# KiCad board element_foxtrot.kicad_pcb (continued)
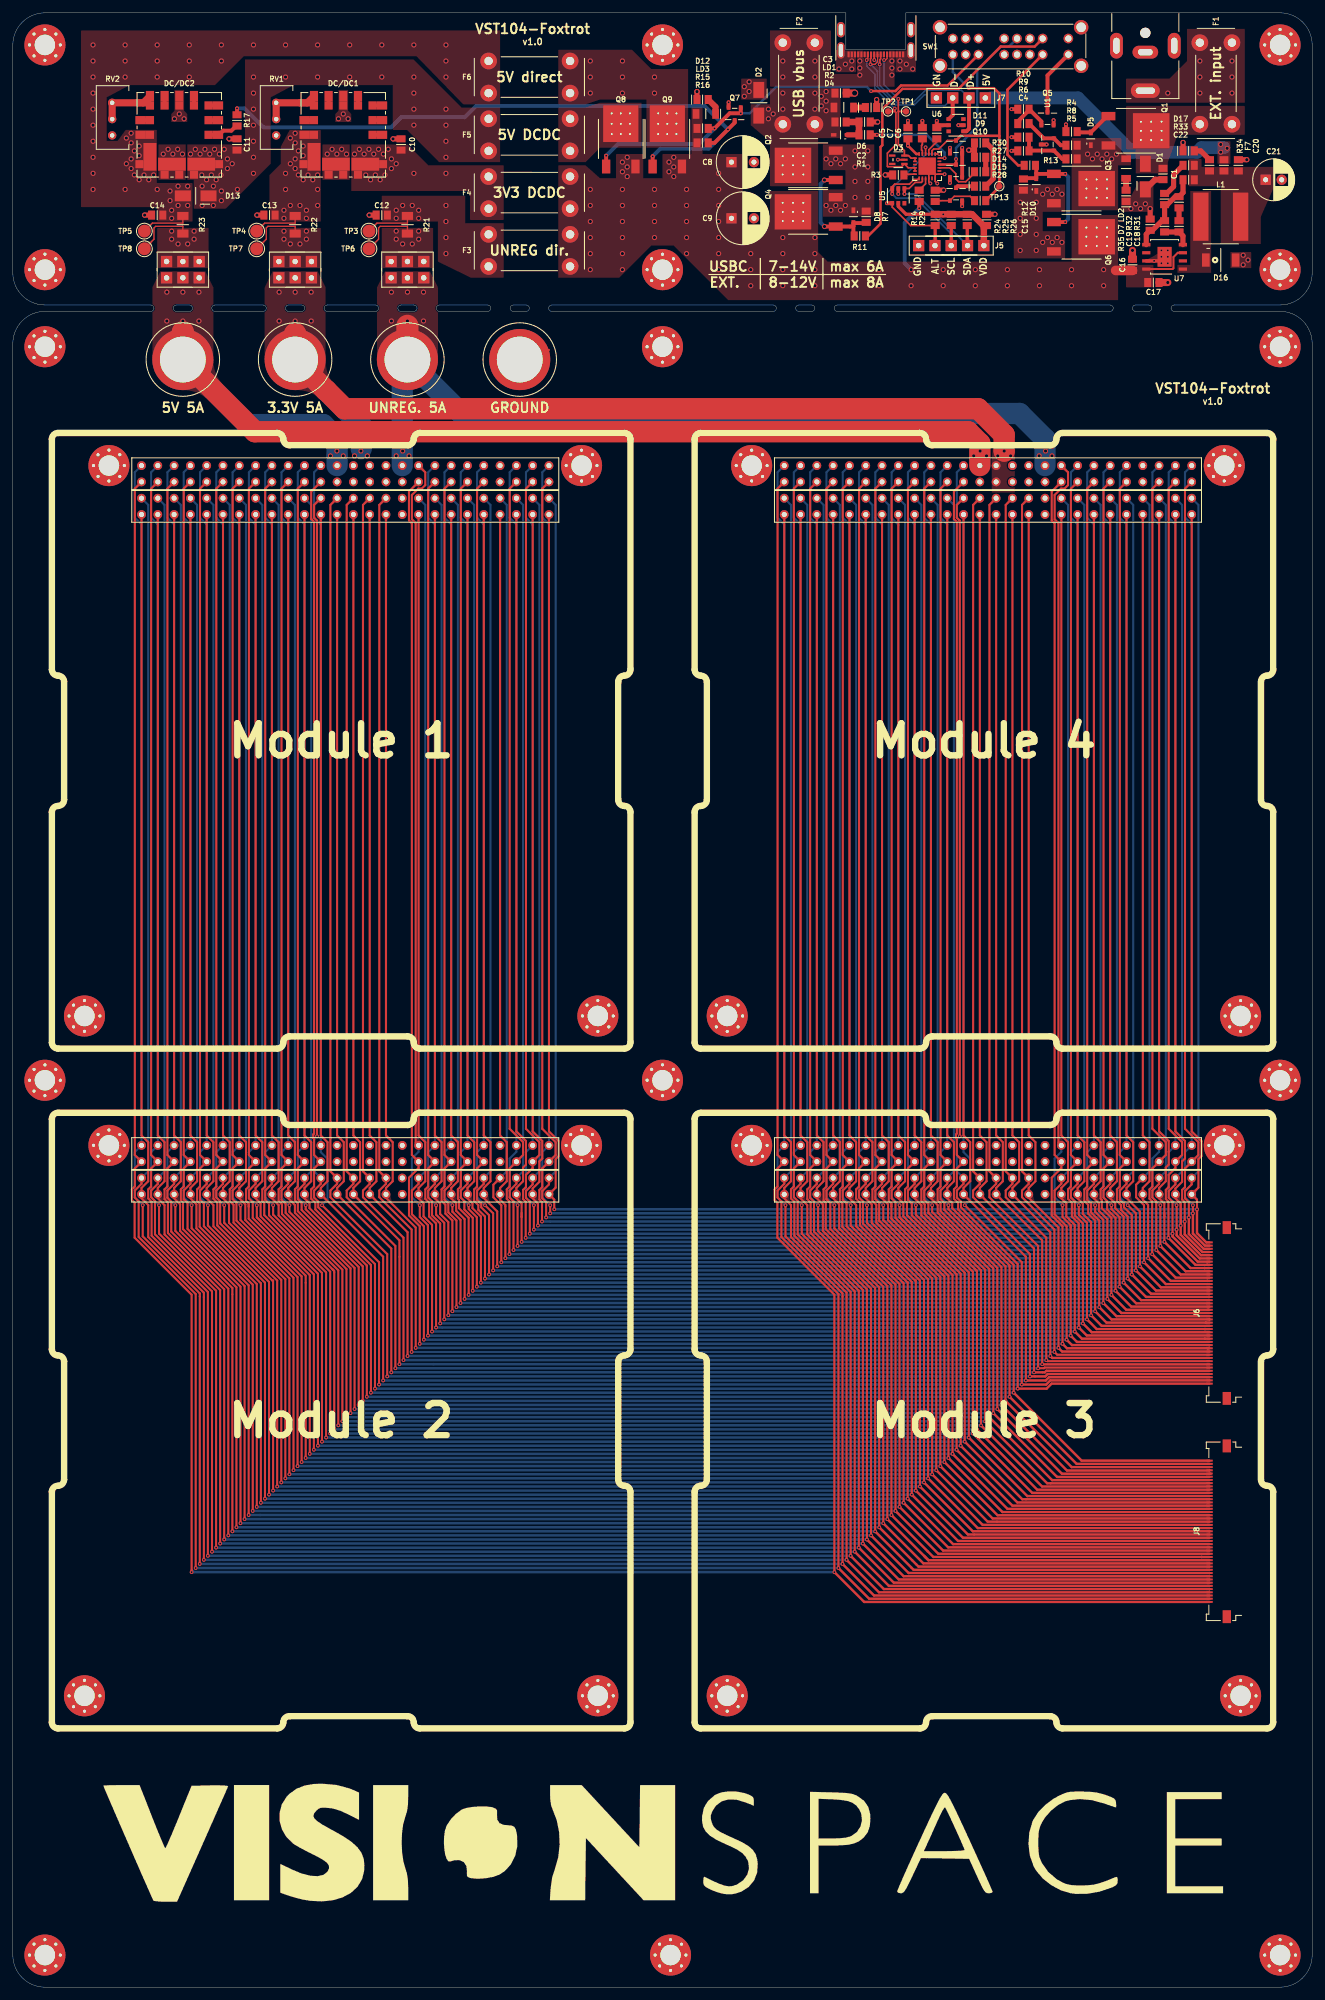
[diagram p0: board, top side]
## Routing (per net, layer and track width the routed paths; a pad name or vN(x,y) marks a point on that pad's centre or on a via; arc(x,y) is an arc through that point) (continued)
/H2-51: length 342.6
  Top w0.323: 83.56,234.44 82.51,233.4 82.51,133.69 84.6,131.61 84.6,129.61 Module 2.H2_51 82.51,127.52 82.51,124.62 82.06,124.17 82.06,122.67 82.47,122.26 v1(82.47,119.25) ; v1(182.64,119.25) 182.64,122.26 182.23,122.67 182.23,124.17 182.68,124.62 182.68,127.52 Module 3.H2_51 184.77,129.61 184.77,131.61 182.68,133.69 182.68,233.4 183.72,234.44
  Top w0.37: J6.42 185.38,114.5 182.64,117.24 v1(182.64,119.25)
  Bottom w0.396: v1(82.47,119.25) v1(182.64,119.25)
/H2-52: length 343.2
  Top w0.323: v1(83.75,120.53) v1(83.75,121.79) ; v1(183.91,120.53) v1(183.91,121.79)
  Top w0.37: v1(183.91,120.53) 183.91,117.37 185.79,115.5 J6.44
  Bottom w0.323: 83.56,236.99 82.51,235.94 82.51,228.91 83.56,227.87 83.56,131.1 82.51,130.06 82.51,123.03 v1(83.75,121.79) ; v1(183.91,121.79) 182.68,123.03 182.68,130.06 183.72,131.1 183.72,227.87 182.68,228.91 182.68,235.94 183.72,236.99
  Bottom w0.396: v1(183.91,120.53) v1(83.75,120.53)
/PDO2: length 41
  Top w0.25: U2.20 143.25,286.03 143.51,286.3 144.31,286.3 145.64,287.62 D11.3 146.85,287.62
  Top w0.38: 153.75,294.25 153.75,294.93 152.91,295.77 v1(149,295.77)
  Top w0.4: 153.75,281.22 153.75,280.51 TP13.1 ; 153.75,281.22 153.75,280.75 ; 153.75,281.22 153.75,294.25 ; 153.72,288.35 147.73,288.35 D11.3 ; 153.5,280.12 R28.2
  Bottom w0.38: SW1.16 146.5,298.27 v1(149,295.77)
/RST: length 1.8
  Top w0.25: U2.6 139,282.37 R3.2
/SCL: length 22.6
  Top w0.25: U5.3 137.05,280.44 137.44,280.83 139.73,280.83 140.45,281.55 141.05,281.55 141.22,281.72 U2.7
  Top w0.5: U5.3 v1(137.05,279.29) ; R25.2 J5.3
  Bottom w0.3: J5.3 146.25,273.08 140.69,278.64 137.7,278.64 v1(137.05,279.29)
/SDA: length 20.9
  Top w0.25: U5.1 139.69,280.15 140.63,281.09 141.59,281.09 141.75,281.25 U2.8
  Top w0.5: U5.1 138.95,279.3 v1(138.96,279.29) ; J5.2 148.75,271.29 R26.2
  Bottom w0.3: v1(138.96,279.29) 140.75,279.29 J5.2
/SUP_3V3: length 140.3
  Top w3.314: TP11.1 48.83,248.67 48.87,248.67 51.7,245.84 150.44,245.84 154.5,241.78 v2(154.5,239.25)
  Top w3.46: 44,257.5 TP11.1 44,253.75
  Bottom w3.314: 54.3,239.62 54.3,243.19 TP11.1
  vias: v2(41.5,264) v2(41.5,259.5) v2(44,264) v2(44,259.5) v2(46.5,264) v2(46.5,259.5) v2(53.25,240) v2(53.25,238.5) v2(54.25,239.25) v2(55.25,240) v2(55.25,238.5) v2(153.5,240) v2(153.5,238.5) v2(155.5,240) v2(155.5,238.5)
/SUP_5V: length 170.9
  Top w3.314: 150.71,236.99 150.71,240.43 148.87,242.26 37.74,242.26 TP10.1
  Top w3.46: 26.49,257.75 TP10.1 26.49,253.75
  Bottom w3.314: 50.53,236.99 50.53,241.22 48.38,243.37 36.62,243.37 TP10.1
  vias: v2(24,264) v2(24,259.5) v2(26.5,264) v2(26.5,259.5) v2(29,264) v2(29,259.5) v2(49.5,240) v2(49.5,238.5) v2(50.5,239.25) v2(51.5,240) v2(51.5,238.5) v2(149.75,240) v2(149.75,238.5) v2(150.75,239.25) v2(151.75,240) v2(151.75,238.5)
/SUP_BAT_1: length 322.2
  In1.Cu w0.774: Module 2.H2_45 77.2,129.83 77.2,233.18 75.94,234.44 77.2,235.71 77.2,237.59 81.21,241.6 170.83,241.6 174.84,237.59 174.84,235.71 176.1,234.44 174.84,233.18 174.84,129.83 Module 3.H2_45
/SUP_BAT_2: length 319.3
  In1.Cu w0.774: 75.94,131.1 74.66,132.38 74.66,235.71 75.94,236.99 75.94,237.6 80.84,242.5 171.2,242.5 176.1,237.6 176.1,236.99 177.37,235.72 177.37,132.37 176.1,131.1
/SUP_UNREG: length 131
  Top w3.46: 61.5,258.75 TP9.1 61.5,253.75
  Bottom w3.314: 160.87,236.99 160.87,241.13 156.9,245.1 69.89,245.1 TP9.1 60.69,252.7 60.69,236.99
  vias: v2(59,264) v2(59,259.5) v2(59.75,240) v2(59.75,238.5) v2(60.75,239.25) v2(61.5,264) v2(61.5,259.5) v2(61.75,240) v2(61.75,238.5) v2(64,264) v2(64,259.5) v2(159.95,240) v2(159.95,238.5) v2(160.95,239.25) v2(161.95,240) v2(161.95,238.5)
/USB_N: length 27.1
  Top w0.2: v1(133.66,299.47) 134.35,299.47 134.78,299.9 134.78,301 P1.B7
  Top w0.25: v1(133.66,299.47) 133.66,300.36 133.75,300.45 P1.A7
  Top w0.6: J7.3 146.48,291.58 U6.1
  Bottom w0.25: v1(133.66,299.47) 134.72,298.41 134.72,296.02 137.59,293.15 140.48,293.15 142.07,294.75 142.5,294.75 142.5,293.35 142.8,293.05 145.28,293.05 J7.3
/USB_P: length 29.1
  Top w0.25: P1.A6 135.25,300.33 135.13,300.21 135.13,299.5 v1(135.1,299.47) ; P1.B6 v1(134.25,300.15)
  Top w0.6: U6.4 148.62,289.05 149.02,289.45 J7.2
  Bottom w0.25: v1(134.25,300.15) 134.42,300.15 v1(135.1,299.47) 135.1,296.17 137.74,293.53 140.32,293.53 142.24,295.45 147.82,295.45 J7.2
/VOUT_3V3: length 7.6
  Top w0.2: R22.2 44,274.75 39.25,274.75 TP4.1
  vias: v2(42.25,276.75) v2(42.25,275.5) v2(42.5,282.5) v2(42.5,280) v2(43.25,288) v2(43.25,284) v2(43.25,277.5) v2(44,288.75) v2(44,287.25) v2(44,284.75) v2(44,283.25) v2(44.5,286) v2(44.5,282.25) v2(44.75,277.5) v2(45.25,286.75) v2(45.25,285.25) v2(45.25,281.5) v2(45.75,276.75) v2(45.75,275.5) v2(46,282.25) v2(46.75,281.5) v2(47.5,282.25) v2(47.5,280) v2(47.5,277.5)
/VOUT_5V: length 7.6
  Top w0.2: R23.2 26.5,274.75 21.75,274.75 TP5.1
  vias: v2(12.5,302.5) v2(12.5,300) v2(12.5,297.5) v2(12.5,295) v2(12.5,292.5) v2(12.5,290) v2(12.5,287.5) v2(12.5,285) v2(12.5,282.5) v2(12.5,280) v2(17.5,302.5) v2(17.5,300) v2(17.5,297.5) v2(17.5,280) v2(17.69,288) v2(17.69,284) v2(18.44,288.75) v2(18.44,287.25) v2(18.44,284.75) v2(18.44,283.25) v2(18.94,286) v2(18.94,282.25) v2(19.69,286.75) v2(19.69,285.25) v2(19.69,281.5) v2(20.44,282.25) v2(21.19,281.5) v2(21.94,282.25) v2(22.5,302.5) v2(22.5,300) v2(22.5,297.5) v2(22.5,280) v2(24.5,279.75) v2(24.5,278.25) v2(24.75,276.75) v2(24.75,275.5) v2(25.75,280.5) v2(25.75,277.5) v2(27.25,280.5) v2(27.25,277.5) v2(27.5,302.5) v2(27.5,300) v2(27.5,297.5) v2(32.5,302.5) v2(32.5,300) v2(37.5,302.5) v2(42.5,302.5) v2(47.5,302.5) v2(52.5,302.5) v2(57.5,302.5) v2(62.5,302.5) v2(67.5,302.5) v2(67.5,300) v2(67.5,297.5)
/VOUT_UNREG: length 7.6
  Top w0.2: TP3.1 56.75,274.75 61.5,274.75 R21.2
  vias: v2(59.75,276.75) v2(59.75,275.5) v2(60.75,277.5) v2(62.25,277.5) v2(63.25,276.75) v2(63.25,275.5) v2(67.5,277.5) v2(67.5,275) v2(67.5,272.5) v2(67.5,270)
/VSINK: length 22.4
  Top w0.3: U7.8 180.74,267.6 180.88,267.73 180.88,269.46 181.56,270.13 U7.3
  Top w0.6: R14.2 141.26,278.12 v1(141.26,277.07)
  Top w1.5: C16.1 171.88,267.38
  Bottom w0.6: v1(141.26,277.07) 139,274.81 139,268.5 v2(140,267.5)
  vias: v2(90,280) v2(90,277.5) v2(90,275) v2(90,272.5) v2(90,270) v2(90,267.5) v2(95,284.25) v2(95,282.75) v2(95,280) v2(95,277.5) v2(95,275) v2(95,272.5) v2(95,270) v2(95,267.5) v2(95.75,285) v2(95.75,283.5) v2(95.75,282) v2(100,280) v2(100,277.5) v2(100,275) v2(100,272.5) v2(102.25,284.25) v2(102.25,282.75) v2(103,285) v2(103,283.5) v2(103,282) v2(105,280) v2(105,277.5) v2(105,275) v2(105,272.5) v2(105,270) v2(110,282.5) v2(110,280) v2(110,277.5) v2(110,275) v2(110,272.5) v2(110,270) v2(110,267.5) v2(115,272.5) v2(115,270) v2(115,267.5) v2(115,265) v2(120,272.5) v2(120,270) v2(120,267.5) v2(120,265) v2(125,272.5) v2(125,270) v2(125,267.5) v2(125,265) v2(130,267.5) v2(130,265) v2(135,267.5) v2(135,265) v2(140,265) v2(145,267.5) v2(145,265) v2(150,267.5) v2(150,265) v2(155,267.5) v2(155,265) v2(160,267.5) v2(160,265) v2(165,267.5) v2(165,265) v2(170,267.5) v2(170,265)
Net-(C2-Pad2): length 5.8
  Top w0.8: D4.1 R1.1
  Top w1: R2.2 C2.2 R1.1
Net-(C4-Pad1): length 8.6
  Top w0.6: R5.2 163.55,284.75 U1.1 158.43,286.05 C4.1 R6.1
  Top w0.8: 163.99,284.75 164.12,284.88
Net-(C5-Pad2): length 23.6
  Top w0.25: 141.12,285.52 U2.24
  Top w0.4: 141.12,285.52 140.8,285.52 v1(139.5,286.82)
  Top w0.6: C5.2 v1(139.5,286.82) ; D9.2 D11.2 v1(147.95,286.48)
  In1.Cu w0.6: v2(133.25,286) 138.68,286 v1(139.5,286.82) 140.03,287.35 147.08,287.35 v1(147.95,286.48)
  vias: v2(126.75,284.75) v2(126.75,277.5) v2(127.5,284) v2(127.5,276.75) v2(128.25,284.75) v2(128.25,277.5) v2(129,284) v2(129,276.75) v2(129.75,284.75) v2(129.75,277.5) v2(131.25,286) v2(131.25,283.5) v2(131.25,281.25) v2(131.25,278.75) v2(133.25,283.5) v2(133.25,281.25) v2(133.25,278.75)
Net-(C6-Pad2): length 2.9
  Top w0.25: C6.2 144,287.42 142.75,286.17 U2.21
Net-(C7-Pad2): length 2.5
  Top w0.25: U2.23 141.75,286.02 141.62,286.15 141.62,286.85 141.75,286.98 C7.2
Net-(C10-Pad1):
  vias: v2(53.25,285.5) v2(54,286.25) v2(54.75,285.5) v2(55,282.25) v2(55.5,286.25) v2(55.75,281.5) v2(56.25,285.5) v2(56.5,282.25) v2(57,286.25) v2(57.25,281.5) v2(57.75,285.5) v2(58,282.25) v2(58.5,286.25) v2(59,284.75) v2(59,283.25) v2(59.75,284) v2(62.5,282.5) v2(67.5,282.5)
Net-(C11-Pad1):
  vias: v2(27.69,285.5) v2(28.44,286.25) v2(29.19,285.5) v2(29.44,282.25) v2(29.5,280.5) v2(29.5,277.5) v2(29.94,286.25) v2(30.19,281.5) v2(30.69,285.5) v2(30.94,282.25) v2(31.25,280.5) v2(31.25,277.5) v2(31.44,286.25) v2(31.69,281.5) v2(32.19,285.5) v2(32.44,282.25) v2(32.5,279.75) v2(32.5,278.25) v2(32.94,286.25) v2(33.44,284.75) v2(33.44,283.25) v2(34.19,284) v2(35,280) v2(37.5,297.5) v2(37.5,295) v2(37.5,292.5) v2(37.5,290) v2(37.5,287.5) v2(37.5,285) v2(37.5,282.5) v2(42.5,297.5) v2(47.5,297.5) v2(52.5,297.5) v2(57.5,297.5) v2(62.5,297.5) v2(62.5,295) v2(62.5,292.5) v2(62.5,290) v2(67.5,292.5) v2(67.5,290) v2(67.5,287.5) v2(67.5,285)
Net-(C18-Pad1): length 4.5
  Top w0.8: U7.4 182.36,272.77 C18.1 C19.1
Net-(C18-Pad2): length 2
  Top w0.8: C18.2 R31.2
Net-(C19-Pad2): length 13.5
  Top w0.8: U7.5 176.64,273.02 R35.2 177.6,273.62 179.1,275.12 C19.2 R32.1 179.92,277.62 181.17,278.88 R31.1 182.38,279.5 R33.1
Net-(C22-Pad2): length 5.8
  Top w0.8: R32.2 179.83,279.38 180.9,280.44 180.9,282.27 C22.2
Net-(D5-Pad1):
  vias: v2(167.5,285.5) v2(168.25,284.75) v2(169,285.5) v2(169.75,284.75) v2(170.5,285.5) v2(171.25,284.75) v2(172,285.5)
Net-(D5-Pad2): length 6
  Top w0.6: Q1.1 170.54,291.42 D5.2 166,288.88 R4.1
Net-(D6-Pad2): length 1.8
  Top w0.92: LD1.1 D6.2
Net-(D7-Pad2): length 1.9
  Top w0.92: LD2.1 D7.2
Net-(D8-Pad2): length 18.2
  Top w0.6: 131,274.25 131,272.88 R11.1 ; 131,274.25 130.96,274.21 126.51,274.21 v2(126.5,274.22) ; 131,274.25 D8.2 132.88,274.75 R7.2 ; v2(126.49,281.46) 126.49,281.46 Q2.1
  Top w0.8: 131.09,272.71 R11.1
  Bottom w0.6: v2(126.49,281.46) 125.89,280.86 125.89,274.83 v2(126.5,274.22)
Net-(D9-Pad3): length 26.9
  Top w0.38: v1(147,284.73) D9.3 U2.16
  Bottom w0.38: SW1.4 155.25,302.25 153.96,302.25 150.29,298.58 150.29,289.75 147,286.46 v1(147,284.73)
Net-(D10-Pad1):
  vias: v2(157,278) v2(157,275.5) v2(157,273) v2(157,270.5) v2(159.5,278) v2(159.5,275.5) v2(159.5,273) v2(159.5,270.5) v2(160.5,279.25) v2(160.5,271.75) v2(161.25,280) v2(161.25,272.5) v2(162,279.25) v2(162,271.75) v2(162.75,280) v2(162.75,272.5) v2(163.5,279.25) v2(163.5,271.75)
Net-(D10-Pad2): length 18.3
  Top w0.6: 159.5,282.5 159.5,283.62 R13.1 ; 159.5,282.5 D10.2 157.62,281.75 R12.2 ; 159.5,282.5 159.58,282.42 Q3.1 v1(164,282.42) 164,282.42 ; 162.25,274.92 v1(164,274.92) 164,274.92
  Bottom w0.6: v1(164,274.92) 164.48,275.4 164.48,281.93 v1(164,282.42)
Net-(D12-Pad2): length 2.7
  Top w0.92: LD3.1 109.53,292.85 D12.2
Net-(D14-Pad2): length 2.2
  Top w0.8: D14.2 R27.2
Net-(D15-Pad1): length 3
  Top w0.6: Q10.3 147.25,280.5 D15.1
Net-(D15-Pad2): length 7.7
  Top w0.8: D15.2 152.78,281.65 152.78,286.18 151.71,287.25 R30.2
Net-(D17-Pad2): length 2.9
  Top w0.8: R34.2 185.12,286 D17.2
Net-(DC/DC1-Pad1): length 1.5
  Top w0.6: DC/DC1.1 DC/DC1.1
Net-(DC/DC1-Pad6): length 11.2
  Top w1.1: 44.72,293.49 45.9,293.49 DC/DC1.6 ; 44.72,293.49 46.51,293.49 DC/DC1.6 ; 44.72,293.49 RV1.3 RV1.2
Net-(DC/DC1-Pad8): length 1.5
  Top w0.6: DC/DC1.8 DC/DC1.8
Net-(DC/DC1-Pad9): length 1.5
  Top w0.6: DC/DC1.9 DC/DC1.9
Net-(DC/DC1-Pad10): length 1.5
  Top w0.6: DC/DC1.10 DC/DC1.10
Net-(DC/DC1-Pad11): length 1.5
  Top w0.6: DC/DC1.11 DC/DC1.11
Net-(DC/DC1-Pad12): length 1.5
  Top w0.6: DC/DC1.12 DC/DC1.12
Net-(DC/DC2-Pad1): length 5
  Top w0.6: DC/DC2.1 DC/DC2.1 32.14,288.5 32.79,289.15 34.06,289.15 34.78,289.88 R17.1
Net-(DC/DC2-Pad6): length 11
  Top w1.1: RV2.2 RV2.3 19.39,293.49 ; 19.39,293.49 20.34,293.49 DC/DC2.6 ; 19.39,293.49 20.95,293.49 DC/DC2.6
Net-(DC/DC2-Pad8): length 1.5
  Top w0.6: DC/DC2.8 DC/DC2.8
Net-(DC/DC2-Pad9): length 1.5
  Top w0.6: DC/DC2.9 DC/DC2.9
Net-(DC/DC2-Pad10): length 1.5
  Top w0.6: DC/DC2.10 DC/DC2.10
Net-(DC/DC2-Pad11): length 1.4
  Top w0.6: DC/DC2.11 DC/DC2.11
Net-(DC/DC2-Pad12): length 1.5
  Top w0.6: DC/DC2.12 DC/DC2.12
Net-(F1-Pad2):
  vias: v2(180,295) v2(185,300) v2(185,297.5) v2(185,295) v2(190,300) v2(190,297.5) v2(190,295)
Net-(F2-Pad2):
  vias: v2(120,300) v2(120,297.5) v2(125,300) v2(125,297.5) v2(132,300) v2(132,298.9) v2(132,297.8) v2(137,300) v2(137,298.9) v2(137,297.8)
Net-(F6-Pad2):
  vias: v2(90,300) v2(90,297.5) v2(90,295) v2(95,300) v2(95,297.5) v2(95,295) v2(100,297.5) v2(100,295)
Net-(J2-Pad1): length 9.6
  Top w0.2: TP6.1 57,272.25 57,274 57.25,274.25 61.5,274.25 R21.1
  vias: v2(59.75,273.5) v2(59.75,272.25) v2(60.75,271.5) v2(62.25,271.5) v2(63.25,273.5) v2(63.25,272.25)
Net-(J3-Pad1): length 9.6
  Top w0.2: TP7.1 39.5,272.25 39.5,274 39.75,274.25 44,274.25 R22.1
  vias: v2(42.25,273.5) v2(42.25,272.25) v2(43.25,271.5) v2(44.75,271.5) v2(45.75,273.5) v2(45.75,272.25)
Net-(J4-Pad1): length 9.6
  Top w0.2: TP8.1 22,272.25 22,274 22.25,274.25 26.5,274.25 R23.1
  vias: v2(24.75,273.5) v2(24.75,272.25) v2(25.75,271.5) v2(27.25,271.5) v2(28.25,273.5) v2(28.25,272.25)
Net-(Q5-Pad1): length 6.3
  Top w0.6: Q5.1 160.3,290.57 R10.1 158.38,292.35 156.62,290.6 R9.2
Net-(Q5-Pad3): length 10.3
  Top w0.6: Q5.3 161.25,297.75 SW1.9
Net-(Q7-Pad1): length 68.7
  Top w0.38: SW1.14 145.69,296.19 138.42,296.19 137.56,295.32 v1(133.75,295.32) ; 92.47,283.57 Q8.1 ; 146.91,297.41 146.9,297.41
  Top w0.6: R15.2 v1(109.36,289.5) 111.72,291.86 v1(113.46,291.86) 113.45,291.87 Q7.1 ; Q8.1 92.46,285.23 v1(92.47,285.24)
  Bottom w0.38: v1(113.46,291.86) 114.85,291.86 118.97,295.98 133.09,295.98 v1(133.75,295.32)
  Bottom w0.6: v1(92.47,285.24) 94.29,287.06 106.92,287.06 v1(109.36,289.5)
Net-(Q7-Pad3): length 102.5
  Top w0.6: R16.2 109.36,287.25 v1(111.46,289.35) 112.5,290.39 Q7.3 ; R17.2 v1(34.94,292.62) ; v1(99.72,285.15) 99.71,285.14 99.71,283.56
  Top w0.8: 99.71,283.57 99.71,283.56
  Bottom w0.6: v1(34.94,292.62) 36.1,292.62 39.05,289.67 58.95,289.67 60.53,291.25 70.45,291.25 72.21,293 107.8,293 v1(111.46,289.35) 108.44,286.33 100.9,286.33 v1(99.72,285.15)
Net-(Q10-Pad1): length 6.7
  Top w0.25: R29.1 143.88,278.25 Q10.1 146.73,278.93 149.2,278.93 R28.1
Net-(R1-Pad2): length 14.4
  Top w0.25: U2.18 v1(145.21,284.87)
  Top w0.6: R1.2 v1(134.68,288.5)
  Bottom w0.4: v1(134.68,288.5) 142.44,288.5 145.21,285.73 v1(145.21,284.87)
Net-(R8-Pad2): length 7.1
  Top w0.6: R9.1 160.68,287.95 U1.2 163.32,286.88 R8.2
Net-(R11-Pad2): length 50.7
  Top w0.38: R11.2 133.31,272.75 135.23,274.67 135.23,286.61 135.51,286.89 135.51,292.52 138.64,295.66 147.37,295.66 153.96,302.25 159.25,302.25 SW1.2
Net-(R13-Pad2): length 21.2
  Top w0.4: SW1.10 155.01,295.51 155.01,285.41 156.68,283.75 R13.2
Net-(R14-Pad1): length 2.3
  Top w0.25: U2.9 142.25,280.88 R14.1

## Copper pours and planes (outline as drawn; the poured copper is in the pictures)
+5V on Top: 189.75,284 187.75,284 187.75,287.5 189.75,287.5
+5V on Bottom: 152.56,293.25 150.56,293.25 150.56,295.25 152.56,295.25
+5V on Bottom: 189.75,285.3 187.75,285.3 187.75,287.5 189.75,287.5
+5V on In1.Cu: 151.96,293.1 151.96,293.16 151.97,293.22 151.98,293.28 151.99,293.34 152.01,293.39 152.04,293.44 152.06,293.49 152.1,293.54 152.13,293.58 152.17,293.63 151.56,294.69 150.95,293.63 150.99,293.58 151.02,293.54 151.06,293.49 151.08,293.44 151.11,293.39 151.13,293.34 151.14,293.28 151.15,293.22 151.16,293.16 151.16,293.1
GND on Top: 176.81,268.62 177.08,268.73 177.33,268.82 177.57,268.89 177.79,268.94 177.98,268.96 178.17,268.96 178.33,268.94 178.48,268.89 178.6,268.82 178.71,268.73 180.05,269.5 178.71,270.27 178.6,270.16 178.48,270.06 178.33,269.95 178.17,269.84 177.98,269.72 177.79,269.6 177.57,269.49 177.33,269.36 177.08,269.24 176.81,269.12
GND on Top: 145.09,290.3 144.97,290.23 144.87,290.17 144.77,290.12 144.68,290.07 144.61,290.04 144.54,290.02 144.49,290 144.45,289.99 144.41,290 144.39,290.01 143.72,289.62 144.39,289.24 145.09,289.7
GND on Top: 143.84,282.46 143.85,283.61 142.02,284.1 142.51,282.27 143.66,282.28
GND on Top: 52.25,292.25 52.75,291.75 52.75,290.5 50.25,290.5 50.25,291.75 50.75,292.25 50.75,295.5 52.25,295.5
GND on Top: 26.69,292.25 27.19,291.75 27.19,290.5 24.69,290.5 24.69,291.75 25.19,292.25 25.19,295.5 26.69,295.5
GND on Top: 52.5,281.5 48.25,281.5 48.25,287 52.5,287
GND on Top: 26.94,281.5 22.69,281.5 22.69,287 26.94,287
GND on Top: 117.5,294 113.5,294 113.5,297.25 117.5,297.25
GND on Top: 137.57,298.25 140.75,298.25 140.75,301.75 137.57,301.75
GND on Top: 177.75,276.5 172.75,276.5 172.75,279 174.3,279 175.5,281.25 177.75,281.25
GND on Top: 193,267.75 189.75,267.75 189.75,270.25 193,270.25
GND on Top: 131.43,298.25 128.25,298.25 128.25,301.75 131.43,301.75
GND on In1.Cu: 26.94,281.5 22.69,281.5 22.69,287 26.94,287
GND on In2.Cu: 203,-0.5 -0.5,-0.5 -0.5,308 203,308
VBUS on Top: 129,288 125.5,288 125.5,280.5 118,280.5 118,287.5 115,290 115,293.25 118,293.25 118,295.75 129,295.75
VBUS on In1.Cu: 129,288 125.5,288 125.5,280.5 118,280.5 118,287.5 115,290 115,293.25 118,293.25 118,295.75 129,295.75
VDD on Top: 150.83,272.39 150.83,272.31 150.83,272.24 150.82,272.17 150.81,272.11 150.8,272.06 150.79,272.01 150.77,271.97 150.76,271.93 150.74,271.9 150.72,271.87 151.33,270.81 151.94,271.87 151.92,271.9 151.9,271.93 151.89,271.97 151.87,272.01 151.86,272.06 151.85,272.11 151.84,272.17 151.83,272.24 151.83,272.31 151.83,272.39
/ALTER on Top: 142.72,274.25 142.8,274.25 142.87,274.24 142.94,274.23 143.01,274.21 143.07,274.19 143.13,274.16 143.19,274.12 143.25,274.08 143.31,274.04 143.36,273.99 144.03,274.38 143.36,274.76 143.31,274.71 143.25,274.67 143.19,274.63 143.13,274.59 143.07,274.56 143.01,274.54 142.94,274.52 142.87,274.51 142.8,274.5 142.72,274.5
/ALTER on Top: 143.5,272.8 143.49,272.69 143.47,272.58 143.45,272.48 143.42,272.38 143.38,272.28 143.34,272.19 143.29,272.11 143.23,272.03 143.17,271.95 143.1,271.87 143.71,270.81 144.32,271.87 144.25,271.95 144.19,272.03 144.14,272.11 144.1,272.19 144.06,272.28 144.03,272.38 144.01,272.48 144,272.58 144,272.69 144,272.8
/GPIO on Top: 149.24,281.75 149.29,281.83 149.35,281.91 149.41,281.98 149.47,282.04 149.53,282.09 149.59,282.13 149.66,282.16 149.73,282.18 149.8,282.2 149.87,282.2 150.07,282.94 149.33,282.74 149.32,282.67 149.32,282.6 149.3,282.52 149.28,282.44 149.26,282.36 149.23,282.27 149.2,282.19 149.16,282.1 149.11,282.01 149.06,281.92
/H1-1 on Top: 21.06,122.08 21,122.27 20.94,122.44 20.89,122.61 20.85,122.76 20.82,122.91 20.79,123.04 20.76,123.17 20.75,123.28 20.74,123.38 20.74,123.48 19.81,123.73 20.06,122.8 20.15,122.79 20.23,122.77 20.32,122.72 20.4,122.65 20.48,122.57 20.55,122.46 20.62,122.34 20.7,122.2 20.76,122.03 20.83,121.85
/H1-1 on Top: 19.89,124.48 19.89,124.44 19.88,124.4 19.87,124.35 19.84,124.3 19.81,124.25 19.78,124.2 19.74,124.15 19.69,124.09 19.64,124.03 19.58,123.97 20.05,123.14 20.53,123.97 20.47,124.03 20.42,124.09 20.37,124.15 20.33,124.2 20.3,124.25 20.27,124.3 20.24,124.35 20.23,124.4 20.22,124.44 20.22,124.48
/H1-1 on Top: 20.22,228.11 20.22,228.2 20.23,228.29 20.24,228.37 20.27,228.45 20.3,228.53 20.33,228.61 20.37,228.68 20.42,228.75 20.47,228.81 20.53,228.88 20.05,229.71 19.58,228.88 19.64,228.81 19.69,228.75 19.74,228.68 19.78,228.61 19.81,228.53 19.84,228.45 19.87,228.37 19.88,228.29 19.89,228.2 19.89,228.11
/H1-1 on Top: 121.23,122.08 121.17,122.27 121.11,122.44 121.06,122.61 121.02,122.76 120.99,122.91 120.96,123.04 120.93,123.17 120.92,123.28 120.91,123.38 120.91,123.48 119.98,123.73 120.23,122.8 120.32,122.79 120.4,122.77 120.49,122.72 120.57,122.65 120.65,122.57 120.72,122.46 120.79,122.34 120.87,122.2 120.93,122.03 121,121.85
/H1-1 on Top: 120.06,124.48 120.06,124.44 120.05,124.4 120.04,124.35 120.01,124.3 119.98,124.25 119.95,124.2 119.91,124.15 119.86,124.09 119.81,124.03 119.75,123.97 120.22,123.14 120.7,123.97 120.64,124.03 120.59,124.09 120.54,124.15 120.5,124.2 120.47,124.25 120.44,124.3 120.41,124.35 120.4,124.4 120.39,124.44 120.39,124.48
/H1-1 on Top: 120.39,228.11 120.39,228.2 120.4,228.29 120.41,228.37 120.44,228.45 120.47,228.53 120.5,228.61 120.54,228.68 120.59,228.75 120.64,228.81 120.7,228.88 120.22,229.71 119.75,228.88 119.81,228.81 119.86,228.75 119.91,228.68 119.95,228.61 119.98,228.53 120.01,228.45 120.04,228.37 120.05,228.29 120.06,228.2 120.06,228.11
/H1-2 on Top: 20.22,125.12 20.22,125.14 20.23,125.17 20.24,125.2 20.27,125.24 20.3,125.28 20.33,125.32 20.37,125.37 20.42,125.42 20.47,125.48 20.53,125.54 20.05,126.37 19.58,125.54 19.64,125.48 19.69,125.42 19.74,125.37 19.78,125.32 19.81,125.28 19.84,125.24 19.87,125.2 19.88,125.17 19.89,125.14 19.89,125.12
/H1-2 on Top: 120.39,125.12 120.39,125.14 120.4,125.17 120.41,125.2 120.44,125.24 120.47,125.28 120.5,125.32 120.54,125.37 120.59,125.42 120.64,125.48 120.7,125.54 120.22,126.37 119.75,125.54 119.81,125.48 119.86,125.42 119.91,125.37 119.95,125.32 119.98,125.28 120.01,125.24 120.04,125.2 120.05,125.17 120.06,125.14 120.06,125.12
/H1-2 on Bottom: 21.06,231.13 21,231.2 20.94,231.26 20.89,231.34 20.85,231.41 20.82,231.48 20.79,231.56 20.76,231.64 20.75,231.73 20.74,231.81 20.74,231.9 19.81,232.15 20.06,231.22 20.15,231.22 20.23,231.21 20.32,231.2 20.4,231.17 20.48,231.14 20.55,231.11 20.62,231.07 20.7,231.02 20.76,230.96 20.83,230.9
/H1-2 on Bottom: 20.83,127.03 20.76,126.97 20.7,126.91 20.62,126.86 20.55,126.82 20.48,126.79 20.4,126.76 20.32,126.73 20.23,126.72 20.15,126.71 20.06,126.71 19.81,125.78 20.74,126.03 20.74,126.12 20.75,126.2 20.76,126.29 20.79,126.37 20.82,126.45 20.85,126.52 20.89,126.59 20.94,126.67 21,126.73 21.06,126.8
/H1-2 on Bottom: 121,127.03 120.93,126.97 120.87,126.91 120.79,126.86 120.72,126.82 120.65,126.79 120.57,126.76 120.49,126.73 120.4,126.72 120.32,126.71 120.23,126.71 119.98,125.78 120.91,126.03 120.91,126.12 120.92,126.2 120.93,126.29 120.96,126.37 120.99,126.45 121.02,126.52 121.06,126.59 121.11,126.67 121.17,126.73 121.23,126.8
/H1-2 on Bottom: 121.23,231.13 121.17,231.2 121.11,231.26 121.06,231.34 121.02,231.41 120.99,231.48 120.96,231.56 120.93,231.64 120.92,231.73 120.91,231.81 120.91,231.9 119.98,232.15 120.23,231.22 120.32,231.22 120.4,231.21 120.49,231.2 120.57,231.17 120.65,231.14 120.72,231.11 120.79,231.07 120.87,231.02 120.93,230.96 121,230.9
/H1-3 on Top: 22.43,124.48 22.43,124.44 22.42,124.4 22.41,124.35 22.38,124.3 22.35,124.25 22.32,124.2 22.28,124.15 22.23,124.09 22.18,124.03 22.12,123.97 22.59,123.14 23.07,123.97 23.01,124.03 22.96,124.09 22.91,124.15 22.87,124.2 22.84,124.25 22.81,124.3 22.78,124.35 22.77,124.4 22.76,124.44 22.76,124.48
/H1-3 on Top: 22.76,228.11 22.76,228.2 22.77,228.29 22.78,228.37 22.81,228.45 22.84,228.53 22.87,228.61 22.91,228.68 22.96,228.75 23.01,228.81 23.07,228.88 22.59,229.71 22.12,228.88 22.18,228.81 22.23,228.75 22.28,228.68 22.32,228.61 22.35,228.53 22.38,228.45 22.41,228.37 22.42,228.29 22.43,228.2 22.43,228.11
/H1-3 on Top: 23.6,122.08 23.54,122.27 23.48,122.44 23.43,122.61 23.39,122.76 23.36,122.91 23.33,123.04 23.3,123.17 23.29,123.28 23.28,123.38 23.28,123.48 22.35,123.73 22.6,122.8 22.69,122.79 22.77,122.77 22.86,122.72 22.94,122.65 23.02,122.57 23.09,122.46 23.16,122.34 23.24,122.2 23.3,122.03 23.37,121.85
/H1-3 on Top: 122.6,124.48 122.6,124.44 122.59,124.4 122.58,124.35 122.55,124.3 122.52,124.25 122.49,124.2 122.45,124.15 122.4,124.09 122.35,124.03 122.29,123.97 122.76,123.14 123.24,123.97 123.18,124.03 123.13,124.09 123.08,124.15 123.04,124.2 123.01,124.25 122.98,124.3 122.95,124.35 122.94,124.4 122.93,124.44 122.93,124.48
/H1-3 on Top: 122.93,228.11 122.93,228.2 122.94,228.29 122.95,228.37 122.98,228.45 123.01,228.53 123.04,228.61 123.08,228.68 123.13,228.75 123.18,228.81 123.24,228.88 122.76,229.71 122.29,228.88 122.35,228.81 122.4,228.75 122.45,228.68 122.49,228.61 122.52,228.53 122.55,228.45 122.58,228.37 122.59,228.29 122.6,228.2 122.6,228.11
/H1-3 on Top: 123.77,122.08 123.71,122.27 123.65,122.44 123.6,122.61 123.56,122.76 123.53,122.91 123.5,123.04 123.47,123.17 123.46,123.28 123.45,123.38 123.45,123.48 122.52,123.73 122.77,122.8 122.86,122.79 122.94,122.77 123.03,122.72 123.11,122.65 123.19,122.57 123.26,122.46 123.33,122.34 123.41,122.2 123.47,122.03 123.54,121.85
/H1-4 on Top: 22.76,125.12 22.76,125.14 22.77,125.17 22.78,125.2 22.81,125.24 22.84,125.28 22.87,125.32 22.91,125.37 22.96,125.42 23.01,125.48 23.07,125.54 22.59,126.37 22.12,125.54 22.18,125.48 22.23,125.42 22.28,125.37 22.32,125.32 22.35,125.28 22.38,125.24 22.41,125.2 22.42,125.17 22.43,125.14 22.43,125.12
/H1-4 on Top: 122.93,125.12 122.93,125.14 122.94,125.17 122.95,125.2 122.98,125.24 123.01,125.28 123.04,125.32 123.08,125.37 123.13,125.42 123.18,125.48 123.24,125.54 122.76,126.37 122.29,125.54 122.35,125.48 122.4,125.42 122.45,125.37 122.49,125.32 122.52,125.28 122.55,125.24 122.58,125.2 122.59,125.17 122.6,125.14 122.6,125.12
/H1-4 on Bottom: 23.37,127.03 23.3,126.97 23.24,126.91 23.16,126.86 23.09,126.82 23.02,126.79 22.94,126.76 22.86,126.73 22.77,126.72 22.69,126.71 22.6,126.71 22.35,125.78 23.28,126.03 23.28,126.12 23.29,126.2 23.3,126.29 23.33,126.37 23.36,126.45 23.39,126.52 23.43,126.59 23.48,126.67 23.54,126.73 23.6,126.8
